# Altium PCB STB_ControlBoard.PcbDoc (part 2 of 3) (continued)
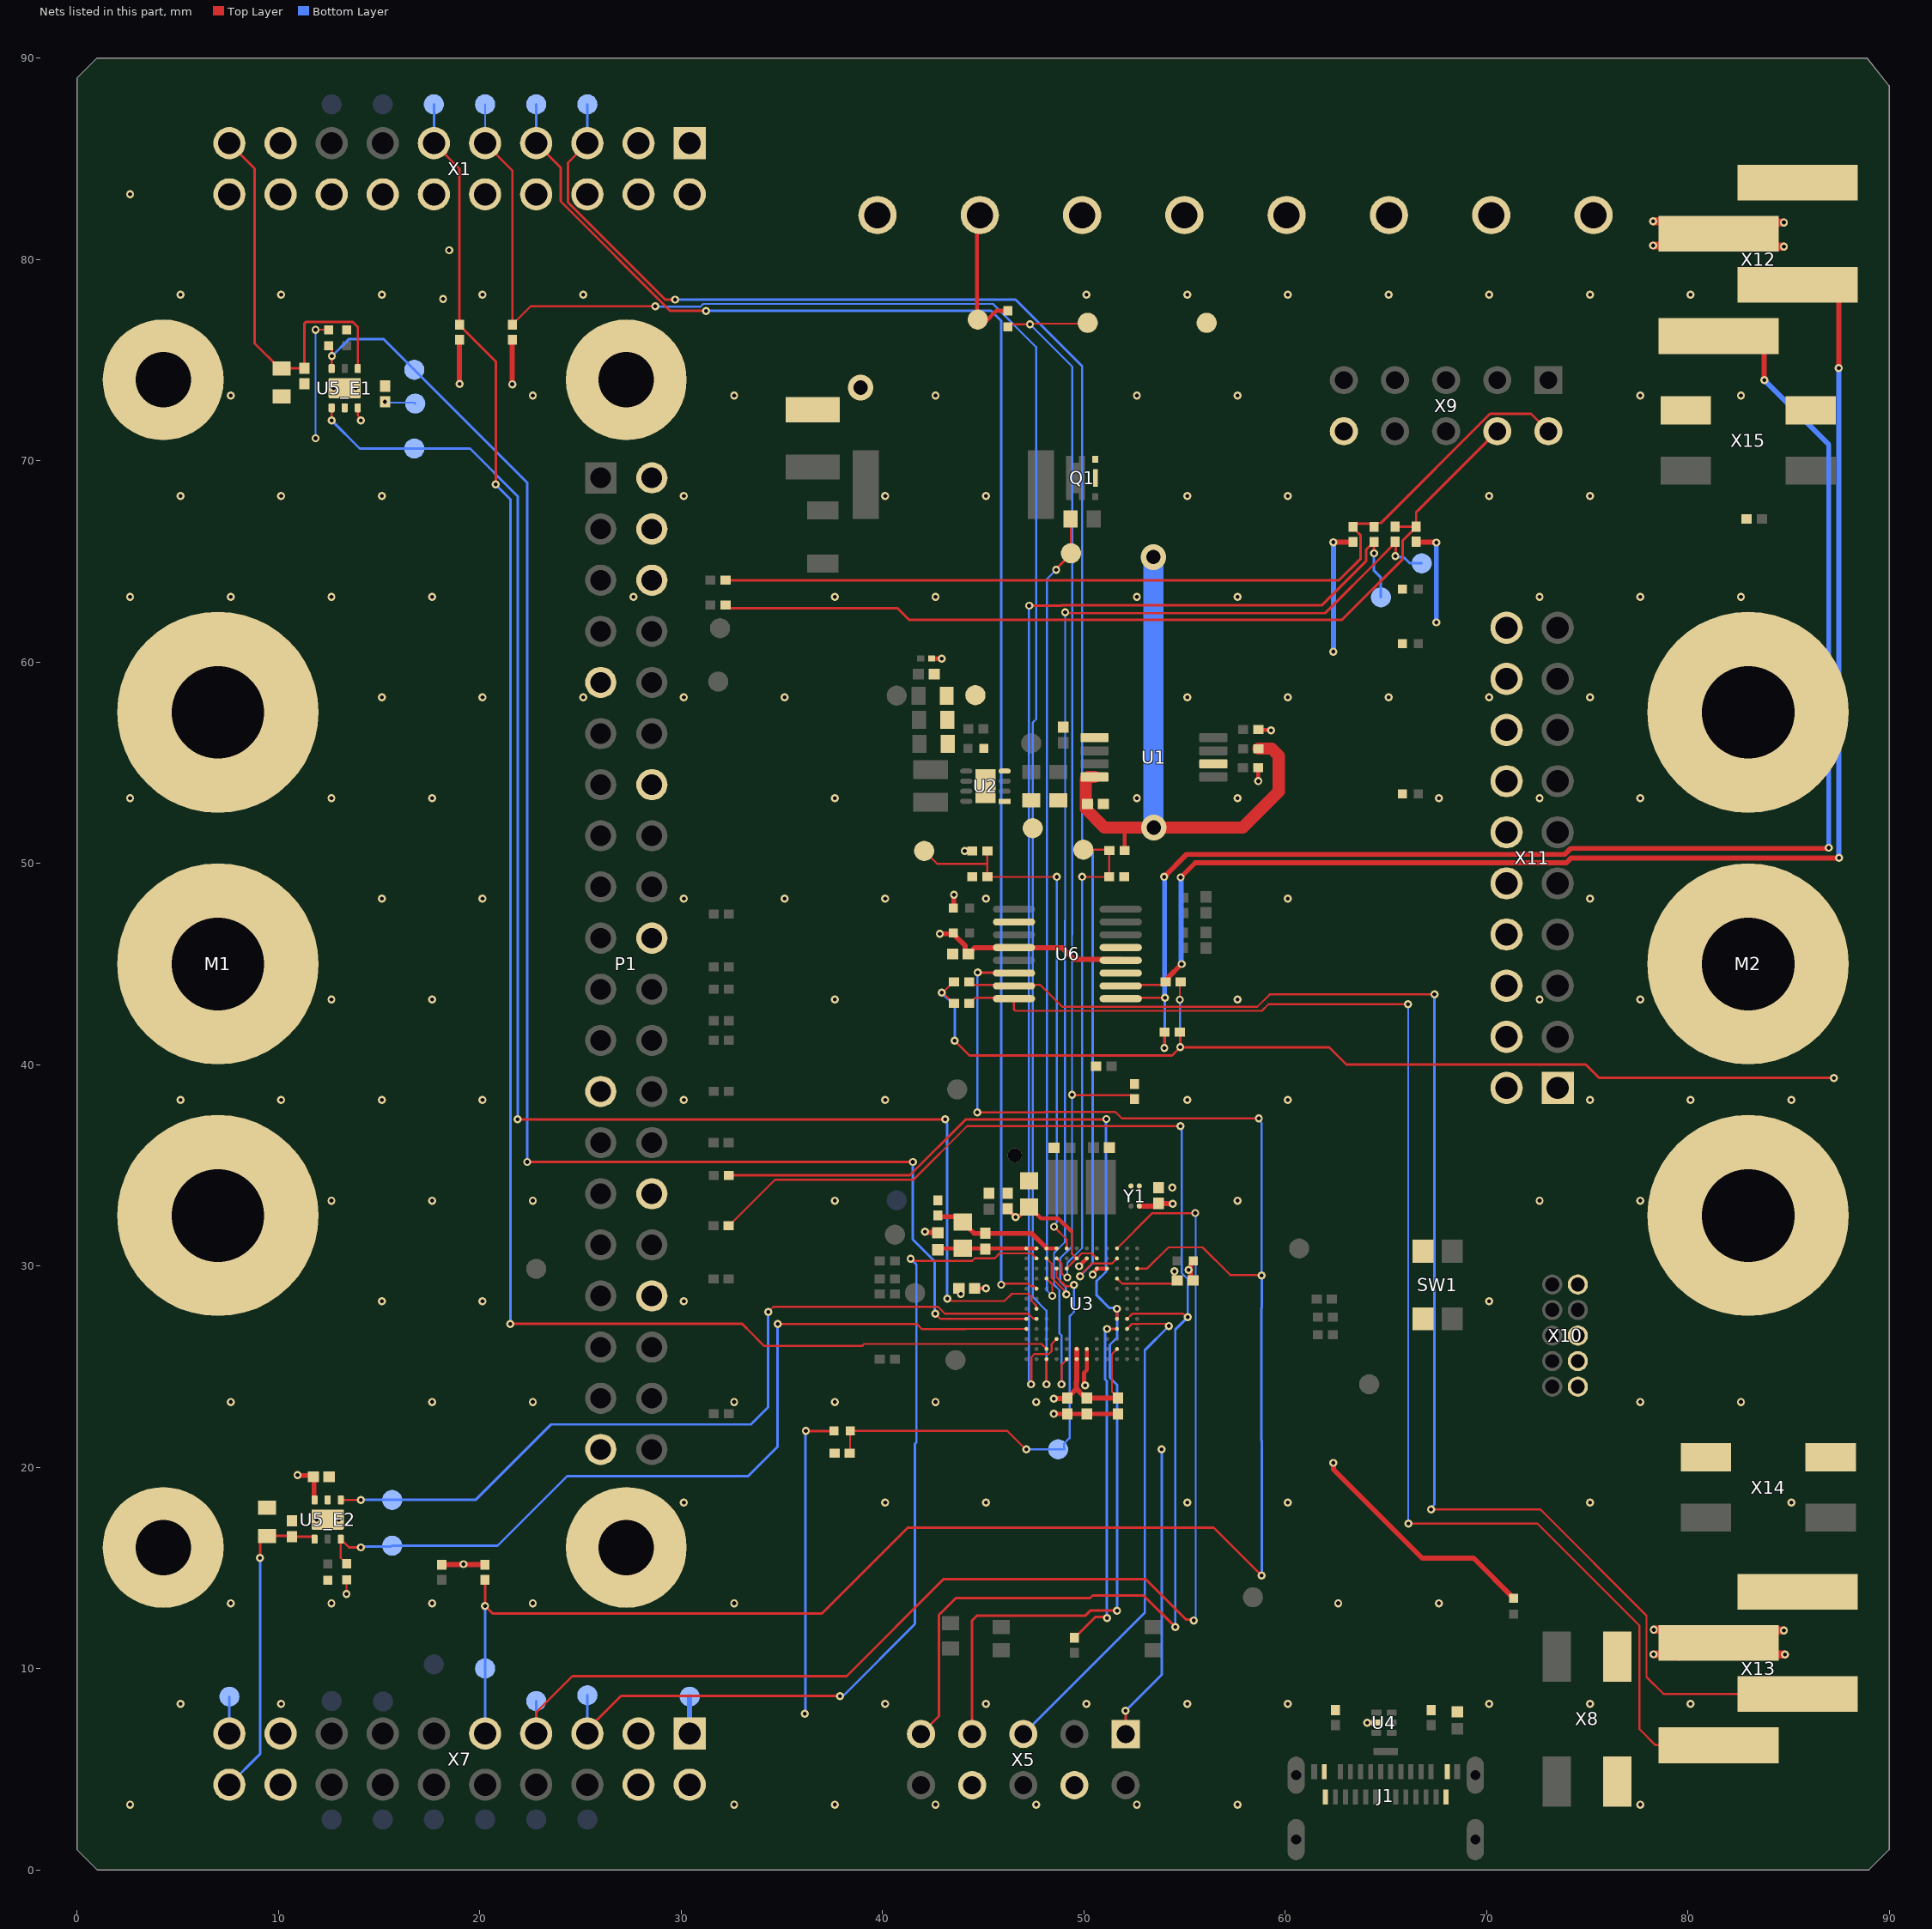
[diagram p4: the nets of this part, all layers, seen from the top]
## Part data (continued)
X10: library part CMP-00143-1, "BOX HEADER, 0.050 5x2 POS", Color=-, Manufacturer="CNC Tech", Supplier Part Number=1175-1627-ND, ComponentLink1Description=3220-XX-0100-00.pdf, ComponentLink1URL=http://cnctech.us/pdfs/3220-XX-0100-00.pdf, Connector Type="Header, Shrouded", Contact Finish=Gold, Contact Finish Thickness=Flash, Contact Mating Length=-, Contact Type="Male Pin", Fastening Type=-, Features=-, Manufacturer Part Number=3220-10-0100-00, Mounting Type="Through Hole", Number of Positions=10, Number of Positions Loaded=All, Number of Rows=2, Packaging=Tray, Supplier=Digi-Key, Termination=Solder
X12 X13: "Board Connector, 4 Contact(s), 1 Row(s), Male, Straight, 0.1 inch Pitch, Locking, Black Insulator, Plug", Contact Resistance=10mR, Dielectric Withstanding Voltage (AC)=750V, Insulation Color=Black, Insulation Resistance=5GR, Manufacturer="TE Connectivity", Manufacturer Part Number=3-647166-4, Manufacturer Series=647166, Max Operating Temperature=105°C, Min Operating Temperature=-55°C, Supplier Part Number 1=A110803-ND, Body Breadth=0.25inch, Body Depth=0.347inch, Body Length=0.4inch, Body/Shell Style=PLUG, Category=Connectors, ComponentLink1Description=https://datasheet.ciiva.com:443/pdfs/VipMasterIC/IC/TYEL/TYEL-S-A0008869674/TYEL-S-A0008865685-1.pdf?src-supplier=IHS+Markit, ComponentLink1URL=https://datasheet.ciiva.com:443/pdfs/VipMasterIC/IC/TYEL/TYEL-S-A0008869674/TYEL-S-A0008865685-1.pdf?src-supplier=IHS+Markit, ComponentLink2Description=https://datasheet.ciiva.com/16216/eng-ds-82056-mta-0608-16216388.pdf?src-supplier=Future+Electronics, ComponentLink2URL=https://datasheet.ciiva.com/16216/eng-ds-82056-mta-0608-16216388.pdf?src-supplier=Future+Electronics, ComponentLink3Description=https://datasheet.ciiva.com/9525/eng-ds-82056-mta-0608-9525559.pdf?src-supplier=Avnet, ComponentLink3URL=https://datasheet.ciiva.com/9525/eng-ds-82056-mta-0608-9525559.pdf?src-supplier=Avnet, Connector Type="BOARD CONNECTOR", Contact Finish - Mating="NOT SPECIFIED", Contact Gender=Male, Contact Pattern=RECTANGULAR, Contact Style="SQ PIN-SKT", DIN Conformance=No, Durability=25Cycles, Filter Feature=No, IEC Conformance=No, Insertion Force-Max=8.896N, Insulation Material=Nylon, JESD-609 Code=e3, Mating Contact Pitch=0.1inch, MIL Conformance=No, Mixed Contacts=No, Mount=Board, Mounting Option 1=LOCKING, Mounting Option 2="FRICTION LOCK", Mounting Style=STRAIGHT, Number Of Connectors=1, Number of Contacts=4, Number Of PCB Rows=2, Number of Rows Loaded=1, Option="General Purpose", PCB Contact Pattern=STAGGERED, PCB Contact Row Spacing=2.9972mm, Polarization Key="POLARIZED HOUSING", Pricing 1="1=2.42000, 10=2.10700, 100=1.88280, 500=1.56900, 1000=1.34485, 5000=1.19243 (USD)", Reach SVHC Compliant=Yes, Reference Standard=UL, Reliability=COMMERCIAL, RoHS=Yes, RoHS Compliant=Yes, Stock 1=3619, Supplier 1=Digi-Key, Terminal Pitch=2.54mm, Termination=SMD/SMT, Withdrawl Force-Min=3.614N
Y1: library part CMP-01647-1, Current Rating=1.35uA, Frequency=32.768kHz, Frequency Stability=100ppm, Load Capacitance=10pF, Manufacturer=SiTime, Max Operating Temperature=85°C, Max Supply Current=1.4uA, Max Supply Voltage=3.63V, Min Operating Temperature=-40°C, Min Supply Voltage=1.5V, Package Quantity=1000, Supplier Part Number 1=1473-1240-2-ND, Category=Oscillators, ComponentLink1Description=http://www.mouser.com/ds/2/371/SiT1532-datasheet-275319.pdf?src-supplier=Mouser, ComponentLink1URL=http://www.mouser.com/ds/2/371/SiT1532-datasheet-275319.pdf?src-supplier=Mouser, ComponentLink2Description=http://www.farnell.com/datasheets/2581505.pdf?src-supplier=Farnell, ComponentLink2URL=http://www.farnell.com/datasheets/2581505.pdf?src-supplier=Farnell, ComponentLink3Description=http://www.farnell.com/datasheets/2581505.pdf?src-supplier=Newark, ComponentLink3URL=http://www.farnell.com/datasheets/2581505.pdf?src-supplier=Newark, ComponentLink4Description=http://www.sitime.com/products/datasheets/sit1532/SiT1532-datasheet.pdf?src-supplier=Digi-Key, ComponentLink4URL=http://www.sitime.com/products/datasheets/sit1532/SiT1532-datasheet.pdf?src-supplier=Digi-Key, ComponentLink5Description=https://www.sitime.com/datasheet/SiT1532?src-supplier=Digi-Key, ComponentLink5URL=https://www.sitime.com/datasheet/SiT1532?src-supplier=Digi-Key, Height=0.024inch, Lead Free="Lead Free", Length=0.061inch, Manufacturer Part Number=SiT1532AI-J4-DCC-32.768E, Max Duty Cycle=52%, Mount="Surface Mount", Packaging="Tape and Reel", Pricing 1="1000=0.69900 (USD)", RoHS=Yes, RoHS Compliant=Yes, Supplier 1=Digi-Key, Termination=SMD/SMT, Width=0.8mm
Y2: library part CMP-2000-07595-1, "Crystal Unit, 8 MHz, 8 pF, -40 to 150 degC, 2-Pin SMD, RoHS, Tape and Reel", Case/Package=SMD/SMT, ESR (Equivalent Series Resistance)=500Ohm, Frequency Stability=150ppm, Frequency Tolerance=50ppm, Load Capacitance=8pF, Manufacturer=NDK, Manufacturer Part Number=NX3225GD-8MHZ-STD-CRA-3, Max Operating Temperature=150degC, Min Operating Temperature=-40degC, Package Description="2-Pin Surface Mount Device, Body 3.2 x 2.5 mm", Package Quantity=3000, Supplier Part Number 1=644-1178-2-ND, Category=Crystals, ComponentLink1Description=https://datasheet.ciiva.com/6732/c-nx3225gd-std-cra-3-e-6732944.pdf?src-supplier=Digi-Key, ComponentLink1URL=https://datasheet.ciiva.com/6732/c-nx3225gd-std-cra-3-e-6732944.pdf?src-supplier=Digi-Key, Datasheet URL=http://www.ndk.com/images/products/catalog/c_NX3225GD-STD-CRA-3_e.pdf, Datasheet Version=11/2016, Frequency=8MHz, Height=0.039inch, Length=0.126inch, Manufacturer URL=http://www.ndk.com/en/, Mount=SurfaceMount, Mounting Technology=SurfaceMount, Number of Pins=2, Package Reference=NX3225GD-8MHZ-STD-CRA-3, Packaging=TapeandReel, RoHS=Yes, RoHSCompliant=True, Supplier 1=Digi-Key, Width=0.098inch

## Free pads (board coordinates)
  round 6 hole 2.75: 8(4.284,16.013) 8(4.284,74.013) 8(27.284,16.013) 8(27.284,74.013)

## Via types
v1: diameter 0.4, hole 0.2, Top Layer to Bottom Layer, tented both sides, 360 vias
v2: diameter 0.5, hole 0.2, Top Layer to Bottom Layer, tented both sides, 4 vias
v3: diameter 1.27, hole 0.711, Top Layer to Bottom Layer, tented both sides, 3 vias
v4: diameter 0.711, hole 0.711, Top Layer to Bottom Layer, tented both sides, 1 vias

## Nets (pads, with @x,y where several pads share a name; then routed paths per layer and width w, separated by ;. In a path a pad name is that pad's centre, name@x,y a point inside that pad or via, vN(x,y) a via of type N, cw(c..) or ccw(c..) an arc to the next point about the centre after c; other vN are vias at no path point)
3V3: C9.2 C13.2 C14.2 C15.2 C16.2 C17.2 C18.2 C19.2 C22_E1.2 C22_E2.2 C25.2 FB1.2 L2.1 R10.2 R27.2 R28.2 R31.2 R32.2 R37.2 R38.2 R41.1 R57_E1.2 R57_E2.2 R63.2 R64.2 TP31.TP U3.C4 U3.C11 U3.E2 U3.G2 U3.G11 U3.G12 U3.H3 U5_E1.6 U5_E2.6 U6.4 U6.12 X5.1 X10.1 X11.1 X11.2 Y1.B2 | length 88.8
  Top Layer w0.1: v1(11.853,76.504) R57_E1.2@12.5,76.504 ; v1(13.388,13.7) R57_E2.2@13.388,14.404 ; U5_E1.6@13.95,72.625 13.95,72.231 14.1,72.081 v1(14.1,72) ; U3.H3@49.16,29.87 49.16,29.884 49.396,30.12 49.396,30.125 49.64,30.37 U3.G2@49.646,30.37 ; 49.384,31.715 49.404,31.695 49.404,30.62 U3.G2@49.654,30.37 49.904,30.62 50.404,30.62 U3.E2@50.654,30.37 ; U3.C11@51.654,25.87 51.404,25.62 51.404,23.75 51.704,23.45 C19.2@51.704,23.43 ; U3.C4@51.654,29.37 U3.C4@51.673,29.351 ; U3.C4@51.72,29.304 51.904,29.12 54.396,29.12 54.458,29.182 54.575,29.182 54.512,29.245 v1(54.512,29.729)
  Top Layer w0.125: v1(44.091,50.612) R41.1@44.466,50.612 ; X5.1@52.08,6.744 v1(52.08,7.896)
  Top Layer w0.2: C13.2@44.581,28.88 v1(45.142,28.879) ; C16.2@46.221,32.833 46.221,32.813 46.611,32.423 v1(46.621,32.423) 46.659,32.461 46.786,32.461 47.259,32.933 C18.2@47.284,32.933 47.309,32.933 47.877,32.365 48.734,32.365 49.384,31.715
  Top Layer w0.25: v1(10.954,19.613) 10.983,19.585 11.68,19.585 C22_E2.2@11.741,19.524 ; R28.2@18.12,15.154 18.136,15.17 19.184,15.17 v1(19.2,15.185) 19.215,15.17 20.255,15.17 R27.2@20.27,15.154 ; v1(19,73.816) R32.2@19,76.004 ; v1(21.62,73.796) R31.2@21.62,76.004 ; v1(42.123,31.692) 42.145,31.67 42.736,31.67 L2.1@42.758,31.648 ; FB1.2@42.466,60.179 FB1.2@42.454,60.166 42.455,60.165 v1(42.944,60.163) v1(42.944,60.163) ; v1(42.854,46.497) R63.2@43.389,46.497 ; R63.2@43.534,46.536 43.634,46.436 43.634,46.382 44.119,45.897 44.119,45.63 44.254,45.495 C25.2@44.274,45.495 ; R64.2@43.534,47.768 43.546,47.78 43.546,48.422 v1(43.559,48.435) ; C25.2@44.341,45.543 44.429,45.63 44.429,45.657 44.575,45.804 U6.12@46.529,45.804 ; U6.12@46.554,45.796 48.947,45.796 49.518,45.225 U6.4@51.838,45.225 ; v1(62.4,20.215) 62.4,19.9 66.814,15.486 69.355,15.486 ; v1(62.402,65.95) 62.409,65.957 63.363,65.957 R37.2@63.369,65.963 ; R38.2@66.511,65.975 66.532,65.953 67.496,65.953 v1(67.518,65.932)
  Top Layer w0.254: C22_E2.2@11.741,19.524 11.777,19.488 11.777,18.398 U5_E2.6@11.8,18.375 ; v1(48.513,23.4) 48.528,23.415 49.173,23.415 C14.2@49.188,23.43 ; C14.2@49.33,23.582 49.635,23.887 49.64,23.887 ; U3.G11@49.654,25.87 U3.G12@49.654,25.37 49.654,24.255 49.64,24.241 49.64,23.887 ; C19.2@51.704,23.43 C15.2@50.154,23.43 50.154,23.45 50.021,23.583 49.944,23.583 49.64,23.887 ; Y1.B2@52.76,32.972 52.761,32.973 C9.2@53.584,32.973 ; C9.2@53.717,33.108 53.727,33.098 54.405,33.098 v1(54.415,33.088) ; 69.355,15.486 R10.2@71.345,13.496
  Bottom Layer w0.1: v1(11.853,71.112) v1(11.853,76.504) ; v1(15.3,72.924) 15.344,72.88 16.756,72.88 TP31.TP@16.8,72.836
  Bottom Layer w0.125: v1(52.08,7.896) 53.869,9.685 v1(53.869,20.883)
  Bottom Layer w0.25: v1(62.402,60.512) v1(62.402,65.95) ; v1(67.518,61.966) 67.511,61.973 67.511,65.925 v1(67.518,65.932)
3V3_LIGHT: C23_E1.2 C24_E1.2 U5_E1.1 X1.19 | length 20.5
  Top Layer w0.125: X1.19@7.57,85.77 8.828,84.512 8.828,75.83 10.072,74.586 C23_E1.2@10.172,74.586 11.29,74.586 C24_E1.2@11.3,74.596 11.3,76.819 11.373,76.892 13.692,76.892 13.95,76.634 U5_E1.1@13.95,74.575
3V3_LIGHT_EN: TP11.TP U3.L7 U5_E1.4 | length 77.7
  Top Layer w0.1: v1(43.221,28.37) 43.302,28.37 43.417,28.255 46.065,28.255 46.43,28.62 47.258,28.62 47.404,28.473 47.404,28.266 47.635,28.035 47.635,27.889 U3.L7@47.654,27.87
  Top Layer w0.125: v1(12.65,72) U5_E1.4@12.65,72.625 ; v1(21.887,37.28) v1(43.115,37.28)
  Bottom Layer w0.125: v1(12.65,72) 14.047,70.603 TP11.TP@16.756,70.603 19.524,70.603 21.887,68.24 v1(21.887,37.28) ; v1(43.115,37.28) 43.115,37.206 43.221,37.1 v1(43.221,28.37)
3V3_LIGHT_nFAULT: R57_E1.1 TP12.TP U3.M8 U5_E1.3 | length 80.3
  Top Layer w0.1: v1(42.626,27.62) 42.878,27.368 U3.M8@47.153,27.368
  Top Layer w0.125: U5_E1.3@12.65,74.575 12.65,75.19 12.65,75.554 R57_E1.1@12.5,75.704 12.659,75.546 v1(12.659,75.19) ; v1(22.361,35.165) v1(41.514,35.165)
  Bottom Layer w0.125: v1(12.659,75.19) 13.499,76.031 15.244,76.031 TP12.TP@16.756,74.518 ; TP12.TP@16.756,74.513 22.361,68.909 v1(22.361,35.165) ; v1(41.514,35.165) 41.514,31.314 42.602,30.227 42.602,27.644 v1(42.626,27.62)
3V3_SYS: C23_E2.2 C24_E2.2 U5_E2.1 X7.20 | length 15.6
  Top Layer w0.125: v1(9.092,15.492) 9.092,16.337 9.342,16.587 C23_E2.2@9.442,16.587 10.642,16.587 C24_E2.2@10.679,16.55 11.7,16.55 11.8,16.45 U5_E2.1@11.8,16.425
  Bottom Layer w0.125: X7.20@7.57,4.23 9.092,5.752 v1(9.092,15.492)
3V3_SYS_EN: TP25.TP U3.L8 U5_E2.4 | length 41.5
  Top Layer w0.1: U5_E2.4@13.1,18.375 v1(14.1,18.375) ; v1(34.333,27.716) 34.588,27.97 42.771,27.97 43.121,27.62 47.258,27.62 47.489,27.389 47.635,27.389 U3.L8@47.654,27.37
  Bottom Layer w0.125: v1(14.1,18.375) TP25.TP@15.653,18.375 19.796,18.375 23.546,22.125 33.475,22.125 34.333,22.984 v1(34.333,27.716)
3V3_SYS_nFAULT: R57_E2.1 TP26.TP U3.M9 U5_E2.3 | length 43.8
  Top Layer w0.1: U5_E2.3@13.1,16.425 U5_E2.3@13.1,16.35 ; 13.275,16.25 13.2,16.25 U5_E2.3@13.1,16.35 ; R57_E2.1@13.388,15.204 13.1,15.492 U5_E2.3@13.1,16.35 ; v1(34.8,27.12) 41.698,27.12 41.96,26.858 44.119,26.858 44.131,26.87 U3.M9@47.154,26.87
  Top Layer w0.125: 13.275,16.25 13.512,16.013 v1(14.1,16.013)
  Bottom Layer w0.125: v1(14.1,16.013) 14.143,16.057 15.61,16.057 TP26.TP@15.653,16.1 20.888,16.1 24.342,19.554 33.333,19.554 34.8,21.021 v1(34.8,27.12)
5V: C1.2 P1.2 P1.4 R2.2 R43.1 TP32.TP U1.8 X1.1 X4.A1 X7.1 X7.2 | length 32.1
  Top Layer w0.2: R43.1@52.029,50.632 52.029,51.767
  Top Layer w0.6: C1.2@50.099,52.974 50.099,52.706 51.031,51.774 52.029,51.774 ; C1.2@50.191,52.94 50.102,53.028 50.102,54.176 50.215,54.289 U1.8@50.54,54.289 ; 52.029,51.767 52.036,51.774 57.898,51.774 59.687,53.563 59.687,55.341 59.336,55.693 R2.2@58.671,55.693
  Bottom Layer w0.25: X7.1@30.43,6.77 TP32.TP@30.43,8.6
  Bottom Layer w1: v3(53.46,65.21) 53.469,65.201 53.469,51.783 v3(53.479,51.774)
12V: R11.2 R48.2 R59.2 R60.2 R61.2 R62.2 TP33.TP X1.3 X3.A1 X7.19 X12.2 X13.2 | length 101
  Top Layer w0.1: v1(42.944,43.574) v1@43.001,43.574 ; R61.2@43.559,43.043 43.534,43.043 43.002,43.574 v1@43.001,43.574 ; R62.2@43.596,44.069 R62.2@43.559,44.107 43.534,44.107 v1@43.001,43.574 ; R59.2@54.769,41.618 R59.2@54.794,41.593 ; v1(54.775,43.223) R60.2@54.775,44.101
  Top Layer w0.125: v1(36.2,21.8) R48.2@37.6,21.8 ; v1(43.596,41.181) 44.321,40.455 54.388,40.455 v1(54.794,40.861) ; R59.2@54.794,41.593 v1(54.794,40.861) ; v1(87.252,39.327) 87.24,39.34 75.596,39.34 74.93,40.005 63.048,40.005 62.191,40.861 v1(54.794,40.861)
  Top Layer w0.4: v1(78.276,80.688) 80.453,80.688 X12.2@81.035,81.27 ; v1(78.276,81.898) 80.407,81.898 X12.2@81.035,81.27 ; v1(78.3,10.705) 79.545,10.705 79.55,10.7 81.465,10.7 X13.2@82.035,11.27 ; v1(78.311,11.925) 81.38,11.925 X13.2@82.035,11.27 ; v1(84.773,11.885) 82.65,11.885 X13.2@82.035,11.27 ; v1(84.773,80.635) 81.67,80.635 X12.2@81.035,81.27 ; v1(84.773,81.835) 81.6,81.835 X12.2@81.035,81.27 ; v1(84.829,10.697) 82.608,10.697 X13.2@82.035,11.27
  Top Layer w1: X13.2@79.55,10.88 79.94,11.27 X13.2@82.035,11.27
  Bottom Layer w0.1: v1(54.775,43.223) v1@54.784,43.214 ; v1@54.784,40.871 v1(54.794,40.861)
  Bottom Layer w0.125: X7.19@7.57,6.77 TP33.TP@7.57,8.6 ; v1(36.146,7.754) 36.173,7.781 36.173,21.773 v1(36.2,21.8) ; v1(42.944,43.574) 43.596,42.922 v1(43.596,41.181) ; v1@54.784,40.871 v1@54.784,43.214
  other v3: 38.92,73.625
24V: R52.2 TP34.TP X1.4 X1.8 X1.12 X1.16 X1.20 X2.A1 X6.A1 | length 6.8
  Top Layer w0.2: TP34.TP@44.631,77.116 TP34.TP@44.701,77.046 ; TP34.TP@44.733,77.261 TP34.TP@44.83,77.165 ; TP34.TP@44.735,77.011 TP34.TP@44.701,77.046 ; X6.A1@44.84,82.2 44.701,82.061 TP34.TP@44.701,77.046 ; TP34.TP@45.115,76.904 45.657,77.446 R52.2@46.234,77.446
ADC1_IN1: R41.2 R42.2 TP41.TP U3.H1 | length 26.9
  Top Layer w0.1: TP41.TP@42.079,50.612 42.723,49.968 45.216,49.968 ; R41.2@45.216,50.612 45.216,49.968 ; v1(48.525,31.945) 49.154,31.316 U3.H1@49.154,30.87 ; v1(48.665,49.324) R42.2@45.216,49.324 45.216,49.968
  Bottom Layer w0.1: v1(48.525,31.945) 48.525,32.014 48.665,32.154 v1(48.665,49.324)
ADC1_IN2: R43.2 R44.2 TP45.TP U3.J2 | length 25.4
  Top Layer w0.1: U3.J2@48.654,30.37 48.905,30.119 48.905,29.974 ; 48.904,29.973 48.904,29.628 49.105,29.427 v1(49.186,29.427) ; v1(49.921,49.324) 51.225,49.324 51.245,49.305 R44.2@51.265,49.324 51.265,50.618 R43.2@51.279,50.632 51.242,50.67 TP45.TP@49.98,50.67
  Bottom Layer w0.1: v1(49.186,29.427) 49.186,30.155 49.921,30.89 v1(49.921,49.324)
ADC1_IN3: R48.1 R51.2 TP50.TP U3.J3 | length 22
  Top Layer w0.1: R51.2@38.375,20.696 38.4,20.721 R48.1@38.4,21.8 46.211,21.8 47.128,20.883 v1(47.153,20.883) ; U3.J3@48.654,29.87 48.654,29.435 49.095,28.994 49.178,28.994 49.181,28.997 49.462,28.997 v1(49.52,29.055)
  Bottom Layer w0.1: v1(47.153,20.883) 49.042,20.883 49.028,20.897 49.028,21.177 49.299,21.449 49.299,27.489 49.52,27.71 v1(49.52,29.055)
ADC1_IN4: R52.1 R53.2 TP54.TP U3.K2 | length 58.9
  Top Layer w0.1: R52.1@46.234,76.646 46.359,76.771 v1(47.33,76.771) 47.367,76.808 50.158,76.808 TP54.TP@50.196,76.846 ; U3.K2@48.154,30.37 48.404,30.12 48.404,29.403 49.14,28.667 v1(49.14,28.589) ; v1(49.421,38.496) 49.433,38.483 52.345,38.483 52.42,38.408 52.42,38.383 R53.2@52.52,38.283
  Bottom Layer w0.1: v1(47.33,76.771) 49.43,74.671 49.43,46.446 49.421,46.437 49.421,38.383 49.421,30.966 48.836,30.382 48.836,29.219 49.116,28.939 49.116,28.613 v1(49.14,28.589)
AGND: C20.1 C21.1 R54.1 U3.J1 U3.K1 | length 6.6
  Top Layer w0.2: U3.K1@48.154,30.87 U3.J1@48.654,30.87
  Top Layer w0.234: R54.1@42.758,32.508 42.831,32.435 43.732,32.435 C20.1@43.995,32.173 44.02,32.173 44.328,31.865 44.328,31.84 44.55,31.618 C21.1@45.116,31.618 47.407,31.618 U3.K1@48.154,30.87
AVDD_MCU: C20.2 C21.2 L2.2 U3.L1 U3.M1 | length 4.9
  Top Layer w0.2: L2.2@42.82,30.87 U3.M1@47.154,30.87 U3.L1@47.654,30.87
  Top Layer w0.234: L2.2@42.758,30.808 L2.2@42.82,30.87
FAN_CONTROL1: R59.1 U6.1 X12.4 | length 74.2
  Top Layer w0.1: U6.1@51.838,43.32 v1(54.042,43.32) ; R59.1@54.005,41.604 R59.1@54.019,41.618
  Top Layer w0.125: v1(54.005,40.818) R59.1@54.005,41.604
  Top Layer w0.25: v1(53.99,49.324) 55.106,50.44 73.89,50.44 74.191,50.741 86.973,50.741 v1(87.002,50.77) ; X12.4@81.035,76.19 83.035,76.19 83.8,75.425 v1(83.8,74)
  Bottom Layer w0.125: v1(54.005,40.818) 54.023,40.837 54.023,43.302 v1(54.042,43.32)
  Bottom Layer w0.25: v1(53.99,49.324) 54.016,49.298 54.016,43.346 v1(54.042,43.32) ; v1(83.8,74) 87.002,70.798 v1(87.002,50.77)
FAN_CONTROL2: R61.1 U6.16 X13.4 | length 72
  Top Layer w0.1: R61.1@44.309,43.043 44.334,43.043 44.611,43.32 46.538,43.32 46.538,42.727 46.596,42.668 58.846,42.668 59.173,42.995 v1(66.111,42.995) ; v1(66.126,17.2) 72.536,17.2 77.6,12.136 77.6,6.99 78.4,6.19 X13.4@82.035,6.19
  Bottom Layer w0.1: v1(66.111,42.995) 66.118,42.988 66.118,17.207 v1(66.126,17.2)
FAN_SENSE1: R60.1 U6.2 X12.3 | length 71.5
  Top Layer w0.1: U6.2@51.838,43.955 53.879,43.955 R60.1@54.03,44.107
  Top Layer w0.25: R60.1@54.067,44.107 54.092,44.107 54.192,44.207 54.192,44.325 v1(54.862,44.995) ; v1(54.817,49.298) 55.544,50.025 73.97,50.025 74.211,50.267 87.505,50.267 v1(87.508,50.27) ; X12.3@84.965,78.73 86.735,78.73 87.5,77.965 v1(87.5,74.6)
  Bottom Layer w0.25: v1(54.817,49.298) 54.839,49.276 54.839,45.017 v1(54.862,44.995) ; v1(87.5,74.6) 87.504,74.596 87.504,50.273 v1(87.508,50.27)
FAN_SENSE2: R62.1 U6.15 X13.3 | length 73.8
  Top Layer w0.1: R62.1@44.309,44.107 44.46,43.955 46.538,43.955 47.842,43.955 48.929,42.868 58.621,42.868 59.246,43.493 v1(67.42,43.493) ; v1(67.25,17.9) 72.679,17.9 77.95,12.629 77.95,9.58 78.8,8.73 X13.3@85.965,8.73
  Bottom Layer w0.1: v1(67.25,17.9) 67.25,17.981 67.42,18.151
  Bottom Layer w0.125: 67.42,18.151 v1(67.42,43.493)
GND: C1.1 C2.1 C3.1 C4.1 C5.1 C6.1 C7.1 C8.1 C9.1 C10.2 C11.2 C12.1 C13.1 C14.1 C15.1 C16.1 C17.1 C18.1 C19.1 C22_E1.1 C22_E2.1 C23_E1.1 C23_E2.1 C24_E1.1 C24_E2.1 C25.1 J1.A1 J1.A12 J1.B1 J1.B12 L3.2 M1.7 M2.7 P1.6 P1.9 P1.14 P1.20 P1.25 P1.30 P1.34 P1.39 pad.8 Q1.4 Q1.S R3.1 R4.2 R5.1 R34.1 R35.1 R36.1 R42.1 R44.1 R50.1 R51.1 R53.1 R54.2 R55.1 R56.1 R58_E1.1 R58_E2.1 R66.2 R68.2 SW1.2 SW1.4 TP3.TP TP4.TP TP30.TP U1.2 U1.5 U2.1 U2.4 U2.9 U3.D3 U3.E3 U3.F2 U3.F11 U3.F12 U4.2 U5_E1.5 U5_E1.7 U5_E2.5 U5_E2.7 U6.3 U6.5 U6.10 X1.2 X1.6 X1.10 X1.14 X1.17 X1.18 X2.A2 X3.A2 X4.A2 X5.4 X5.8 X6.A2 X7.3 X7.4 X7.17 X7.18 X8.2 X9.10 X10.3 X10.5 X10.9 X11.4 X11.6 X11.8 X11.10 X11.12 X11.14 X11.16 X11.18 X11.20 X12.1 X13.1 X14.2 X15.2 Y1.A1 Y1.A2 | length 10.1
  Top Layer w0.2: C23_E2.1@9.442,17.987 C23_E2.1@9.542,17.987 ; U5_E2.7@11.835,17.465 v2(11.9,17.4) ; R58_E1.1@13.275,76.379 R58_E1.1@13.4,76.504 ; C13.1@43.801,28.88 43.858,28.823 43.858,28.643 v1(43.896,28.605) ; v1(48.513,22.65) C14.1@49.188,22.65 C15.1@50.154,22.65 C19.1@51.704,22.65 ; v1(49.767,29.984) v1(49.767,29.984) U3.F2@50.154,30.37 ; v1(50.067,24.064) 50.067,24.118 50.021,24.164 50.021,24.694 50.154,24.827 U3.F11@50.154,25.87 ; v1(50.443,29.569) 50.443,29.624 50.654,29.835 U3.E3@50.654,29.87 U3.D3@51.154,29.87 ; v1(55.212,29.794) v1@55.288,29.794 ; C17.1@55.427,29.28 55.326,29.38 55.326,29.756 v1@55.288,29.794 ; R50.1@55.437,30.254 55.326,30.143 55.326,29.832 v1@55.288,29.794 ; R4.2@58.66,54.738 58.666,54.733 58.666,54.086 v1(58.672,54.08) ; R3.1@58.671,56.652 58.695,56.628 59.276,56.628 v1(59.3,56.604) ; v1(64.082,7.3) 64.09,7.309 U4.2@64.523,7.309
  other v1: 2.642,3.24 32.642,3.24 37.642,3.24 42.642,3.24 47.642,3.24 52.642,3.24 57.642,3.24 77.642,3.24 5.142,8.24 10.142,8.24 40.142,8.24 45.142,8.24 50.142,8.24 55.142,8.24 60.142,8.24 70.142,8.24 75.142,8.24 80.142,8.24 7.642,13.24 12.642,13.24 17.642,13.24 22.642,13.24 32.642,13.24 62.642,13.24 67.642,13.24 30.142,18.24 40.142,18.24 45.142,18.24 55.142,18.24 60.142,18.24 75.142,18.24 85.142,18.24 7.642,23.24 17.642,23.24 22.642,23.24 32.642,23.24 37.642,23.24 42.642,23.24 47.642,23.24 77.642,23.24 82.642,23.24 15.142,28.24 20.142,28.24 30.142,28.24 70.142,28.24 12.642,33.24 17.642,33.24 22.642,33.24 37.642,33.24 57.642,33.24 72.642,33.24 77.642,33.24 54.405,33.888 5.142,38.24 10.142,38.24 15.142,38.24 20.142,38.24 30.142,38.24 40.142,38.24 55.142,38.24 60.142,38.24 75.142,38.24 80.142,38.24 85.142,38.24 12.642,43.24 17.642,43.24 37.642,43.24 57.642,43.24 72.642,43.24 77.642,43.24 15.142,48.24 20.142,48.24 30.142,48.24 35.142,48.24 40.142,48.24 45.142,48.24 60.142,48.24 75.142,48.24 2.642,53.24 12.642,53.24 17.642,53.24 37.642,53.24 52.642,53.24 57.642,53.24 67.642,53.24 72.642,53.24 77.642,53.24 15.142,58.24 20.142,58.24 25.142,58.24 30.142,58.24 35.142,58.24 55.142,58.24 60.142,58.24 65.142,58.24 70.142,58.24 75.142,58.24 2.642,63.24 7.642,63.24 12.642,63.24 17.642,63.24 27.642,63.24 37.642,63.24 42.642,63.24 52.642,63.24 57.642,63.24 72.642,63.24 77.642,63.24 82.642,63.24 5.142,68.24 10.142,68.24 15.142,68.24 30.142,68.24 40.142,68.24 45.142,68.24 55.142,68.24 60.142,68.24 70.142,68.24 75.142,68.24 7.642,73.24 22.642,73.24 32.642,73.24 42.642,73.24 52.642,73.24 57.642,73.24 77.642,73.24 82.642,73.24 18.184,78.033 5.142,78.24 10.142,78.24 15.142,78.24 20.142,78.24 25.142,78.24 50.142,78.24 55.142,78.24 60.142,78.24 65.142,78.24 70.142,78.24 75.142,78.24 80.142,78.24 18.485,80.452 2.642,83.24
  other v2: 13,17.4 12.75,73.6 13.85,73.6
  other v4: 46.572,35.491
GPIO1: TP13.TP U3.L2 X7.5 | length 45.4
  Top Layer w0.1: v1(41.404,30.357) 41.485,30.357 41.594,30.248 44.458,30.248 44.588,30.379 45.577,30.379 45.818,30.62 47.404,30.62 U3.L2@47.654,30.37
  Top Layer w0.125: X7.5@25.35,6.77 25.35,6.962 27.026,8.639 37.886,8.639 v1(37.898,8.627)
  Bottom Layer w0.125: X7.5@25.35,6.77 TP13.TP@25.35,8.675 ; v1(37.898,8.627) 37.95,8.68 38.079,8.68 38.106,8.707 38.116,8.707 41.621,12.212 41.621,21.162 41.692,21.234 41.692,30.068 v1(41.404,30.357)
GPIO2: TP15.TP U3.C1 X7.7 | length 63.8
  Top Layer w0.1: U3.C1@51.654,30.87 53.393,32.608 55.521,32.608 v1(55.541,32.628)
  Top Layer w0.125: X7.7@22.81,6.77 22.81,7.832 24.598,9.619 38.221,9.619 43.048,14.446 53.072,14.446 55.082,12.436 55.421,12.436 v1(55.469,12.387)
  Bottom Layer w0.1: v1(55.469,12.387) 55.469,12.468 55.562,12.56 55.562,32.607 v1(55.541,32.628)
  Bottom Layer w0.125: X7.7@22.81,6.77 TP15.TP@22.81,8.385
GPIO3: TP5.TP U3.C2 X1.5 | length 82.1
  Top Layer w0.1: v1(49.823,29.486) 49.823,29.545 50.397,30.119 50.55,30.119 ; 50.551,30.12 51.258,30.12 ; 51.258,30.119 51.404,30.119 U3.C2@51.654,30.37
  Top Layer w0.125: X1.5@25.35,85.77 24.388,84.808 24.388,82.831 29.219,78 v1(29.71,78)
  Bottom Layer w0.125: X1.5@25.35,85.77 TP5.TP@25.35,87.7 ; v1(29.71,78) 46.614,78 49.921,74.693 49.921,51.157 50.446,50.632 50.446,30.135 49.823,29.512 v1(49.823,29.486)
GPIO4: TP6.TP U3.L5 X1.7 | length 79.4
  Top Layer w0.1: v1(45.904,29.065) 45.959,29.12 47.258,29.12 47.384,28.994 47.53,28.994 U3.L5@47.654,28.87
  Top Layer w0.125: X1.7@22.81,85.77 24.022,84.558 24.022,82.879 29.463,77.437 v1(31.25,77.437)
  Bottom Layer w0.125: X1.7@22.81,85.77 TP6.TP@22.81,87.7 ; v1(31.25,77.437) 31.263,77.45 45.397,77.45 45.904,76.943 v1(45.904,29.065)
GPIO_BUZZER: R16.2 TP29.TP U3.K4 | length 40.2
  Top Layer w0.1: U3.K4@48.154,29.37 48.44,29.084 v1(48.44,28.509) ; R16.2@49.346,67.1 49.368,67.077 TP29.TP@49.368,65.4
  Top Layer w0.125: v1(48.634,64.578) 48.634,64.622 49.368,65.356 TP29.TP@49.368,65.4
  Bottom Layer w0.1: v1(48.44,28.509) 48.175,28.774 48.175,64.119 v1(48.634,64.578)
GPIO_Control1: R7.2 U3.C9 | length 17
  Top Layer w0.125: R7.2@49.54,11.525 49.54,11.55 49.702,11.712 49.727,11.712 50.58,12.565 51.102,12.565 v1(51.154,12.512) ; v1(51.154,26.87) U3.C9@51.654,26.87
  Bottom Layer w0.125: v1(51.154,12.512) 51.154,24.27 51.055,24.369 51.055,26.696 51.154,26.795 v1(51.154,26.87)
GPIO_Control2: U3.B9 X5.5 | length 25.5
  Top Layer w0.1: U3.B9@52.154,26.87 52.408,27.123 52.547,27.123 52.551,27.12 52.758,27.12 52.761,27.123 54.045,27.123 54.153,27.014 v1(54.235,27.014)
  Bottom Layer w0.125: X5.5@47,6.744 53.035,12.779 53.035,25.815 v1(54.235,27.014)
GPIO_Control3: R23.1 U3.C8 X5.7 | length 59
  Top Layer w0.125: R23.1@32.375,34.497 41.358,34.497 44.129,37.267 51.098,37.267 v1(51.127,37.296) ; X5.7@44.46,6.744 44.46,12.394 44.684,12.618 50.069,12.618 50.326,12.874 v1(51.657,12.874) ; U3.C8@51.654,27.37 v1(51.654,27.87)
  Bottom Layer w0.125: v1(51.127,37.296) 51.102,37.271 51.102,29.707 50.646,29.251 50.646,28.538 51.267,27.917 51.607,27.917 v1(51.654,27.87) 51.654,26.436 51.292,26.074 51.292,24.451 51.657,24.086 v1(51.657,12.874)
GPIO_Control4: R24.1 U3.B8 X5.9 | length 72.1
  Top Layer w0.1: R24.1@32.365,31.995 32.39,31.995 34.679,34.284 41.548,34.284 44.21,36.946 v1(54.811,36.946) ; U3.B8@52.162,27.37 52.412,27.62 54.94,27.62 55.105,27.455 v1(55.17,27.455)
  Top Layer w0.125: X5.9@41.92,6.744 42.808,7.631 42.808,12.667 42.903,12.763 42.918,12.763 43.651,13.496 50.311,13.496 50.447,13.632 52.973,13.632 v1(54.549,12.056)
  Bottom Layer w0.1: v1(54.811,36.946) 54.862,36.896 54.862,29.649 55.17,29.341 v1(55.17,27.455)
  Bottom Layer w0.125: v1(54.549,12.056) 54.549,26.833 v1(55.17,27.455)
I2C_CAM_SCL: R39.2 TP39.TP U3.J10 | length 63.6
  Top Layer w0.1: v1(47.384,24.12) 47.404,24.14 47.404,25.473 47.551,25.62 48.258,25.62 48.404,25.766 48.404,26.12 U3.J10@48.654,26.37
  Top Layer w0.125: v1(47.292,62.797) 48.902,62.797 48.93,62.825 61.838,62.825 64.019,65.006 64.019,65.563 R39.2@64.419,65.963 v1(64.419,65.4)
  Bottom Layer w0.1: v1(47.292,62.797) 47.275,62.781 47.275,24.309 47.384,24.201 v1(47.384,24.12)
  Bottom Layer w0.125: v1(64.419,65.4) 64.419,64.532 64.761,64.19 TP39.TP@64.761,63.212
I2C_CAM_SDA: R40.2 TP40.TP U3.H12 | length 60.2
  Top Layer w0.1: v1(48.904,24.12) 48.904,25.086 49.135,25.317 49.135,25.351 U3.H12@49.154,25.37
  Top Layer w0.125: v1(49.08,62.463) 49.12,62.423 61.987,62.423 64.794,65.23 64.794,65.234 65.298,65.738 65.298,65.812 R40.2@65.46,65.975 65.5,65.935 65.5,65.28 v1(65.475,65.255)
  Bottom Layer w0.1: v1(48.904,24.12) 48.904,26.535 48.79,26.649 48.79,28.799 48.525,29.064 48.525,30.638 49.071,31.184 49.071,47.155 49.08,47.164 v1(49.08,62.463)
  Bottom Layer w0.125: v1(65.475,65.255) 65.52,65.21 65.89,65.21 66.194,64.906 66.78,64.906 TP40.TP@66.786,64.9
I2C_LIGHT_SCL: R31.1 TP7.TP U3.K12 X1.9 | length 92
  Top Layer w0.1: X1.9@20.27,85.77 21.62,84.42 R31.1@21.62,76.779 ; R31.1@21.62,76.754 R31.1@21.62,76.779 ; v1(28.721,77.667) 22.533,77.667 21.82,76.954 21.795,76.954 R31.1@21.62,76.779 ; v1(48.151,24.12) 48.154,24.123 U3.K12@48.154,25.37
  Bottom Layer w0.1: X1.9@20.27,85.77 TP7.TP@20.27,87.7 ; v1(28.721,77.667) 28.738,77.65 30.968,77.65 31.105,77.787 45.492,77.787 47.642,75.638 47.642,57.159 47.475,56.992 47.475,28.444 48.151,27.768 v1(48.151,24.12)
I2C_LIGHT_SDA: R32.1 TP8.TP U3.K11 X1.11 | length 89.4
  Top Layer w0.1: 33.258,26.901 34.139,26.02 38.989,26.02 39.089,26.12 47.904,26.12 U3.K11@48.151,25.873
  Top Layer w0.125: X1.11@17.73,85.77 19,84.5 19,76.729 20.8,74.929 v1(20.8,68.814) ; v1(21.525,27.12) 33.039,27.12 33.258,26.901
  Bottom Layer w0.125: X1.11@17.73,85.77 TP8.TP@17.73,87.7 ; v1(20.8,68.814) 21.525,68.09 v1(21.525,27.12)
I2C_SCL: R13.1 R37.1 R39.1 X9.2 | length 46.3
  Top Layer w0.125: R13.1@32.084,64.063 62.689,64.063 63.757,65.131 63.757,66.281 63.532,66.506 63.532,66.744 63.466,66.81 63.519,66.863 64.269,66.863 R39.1@64.419,66.713 64.419,66.738 64.582,66.901 64.761,66.901 70.183,72.322 72.218,72.322 X9.2@73.08,71.46
I2C_SDA: R12.1 R38.1 R40.1 X9.4 | length 44.4
  Top Layer w0.125: R12.1@32.17,62.677 40.738,62.677 41.315,62.1 62.833,62.1 65.848,65.115 65.848,66.037 66.511,66.7 R38.1@66.511,66.725 ; R40.1@65.46,66.725 66.361,66.725 66.511,66.875 66.511,67.431 X9.4@70.54,71.46
I2C_SYS_SCL: R27.1 TP17.TP U3.A3 U6.14 X7.9 | length 102
  Top Layer w0.1: v1(44.712,37.63) 48.053,37.63 48.07,37.646 51.571,37.646 51.893,37.324 v1(58.696,37.324) ; U3.A3@52.654,29.87 53.154,29.87 54.207,30.923 55.909,30.923 57.282,29.549 58.81,29.549 v1(58.834,29.525)
  Top Layer w0.125: R27.1@20.27,14.404 v1(20.27,13.1) 20.642,12.728 36.999,12.728 41.263,16.992 56.461,16.992 v1(58.84,14.613) ; v1(44.733,44.576) 44.749,44.559 46.521,44.559 U6.14@46.538,44.543
  Bottom Layer w0.1: v1(44.712,37.63) 44.723,37.64 44.723,44.565 v1(44.733,44.576) ; v1(58.696,37.324) 58.696,37.243 58.834,37.105 v1(58.834,29.525)
  Bottom Layer w0.125: X7.9@20.27,6.77 TP17.TP@20.27,10 v1(20.27,13.1) ; v1(58.834,29.525) 58.84,29.519 58.84,27.923 58.831,27.914 58.831,21.332 58.84,21.322 v1(58.84,14.613)